# KiCad board M3DU_BoardV3_2.kicad_pcb (continued)
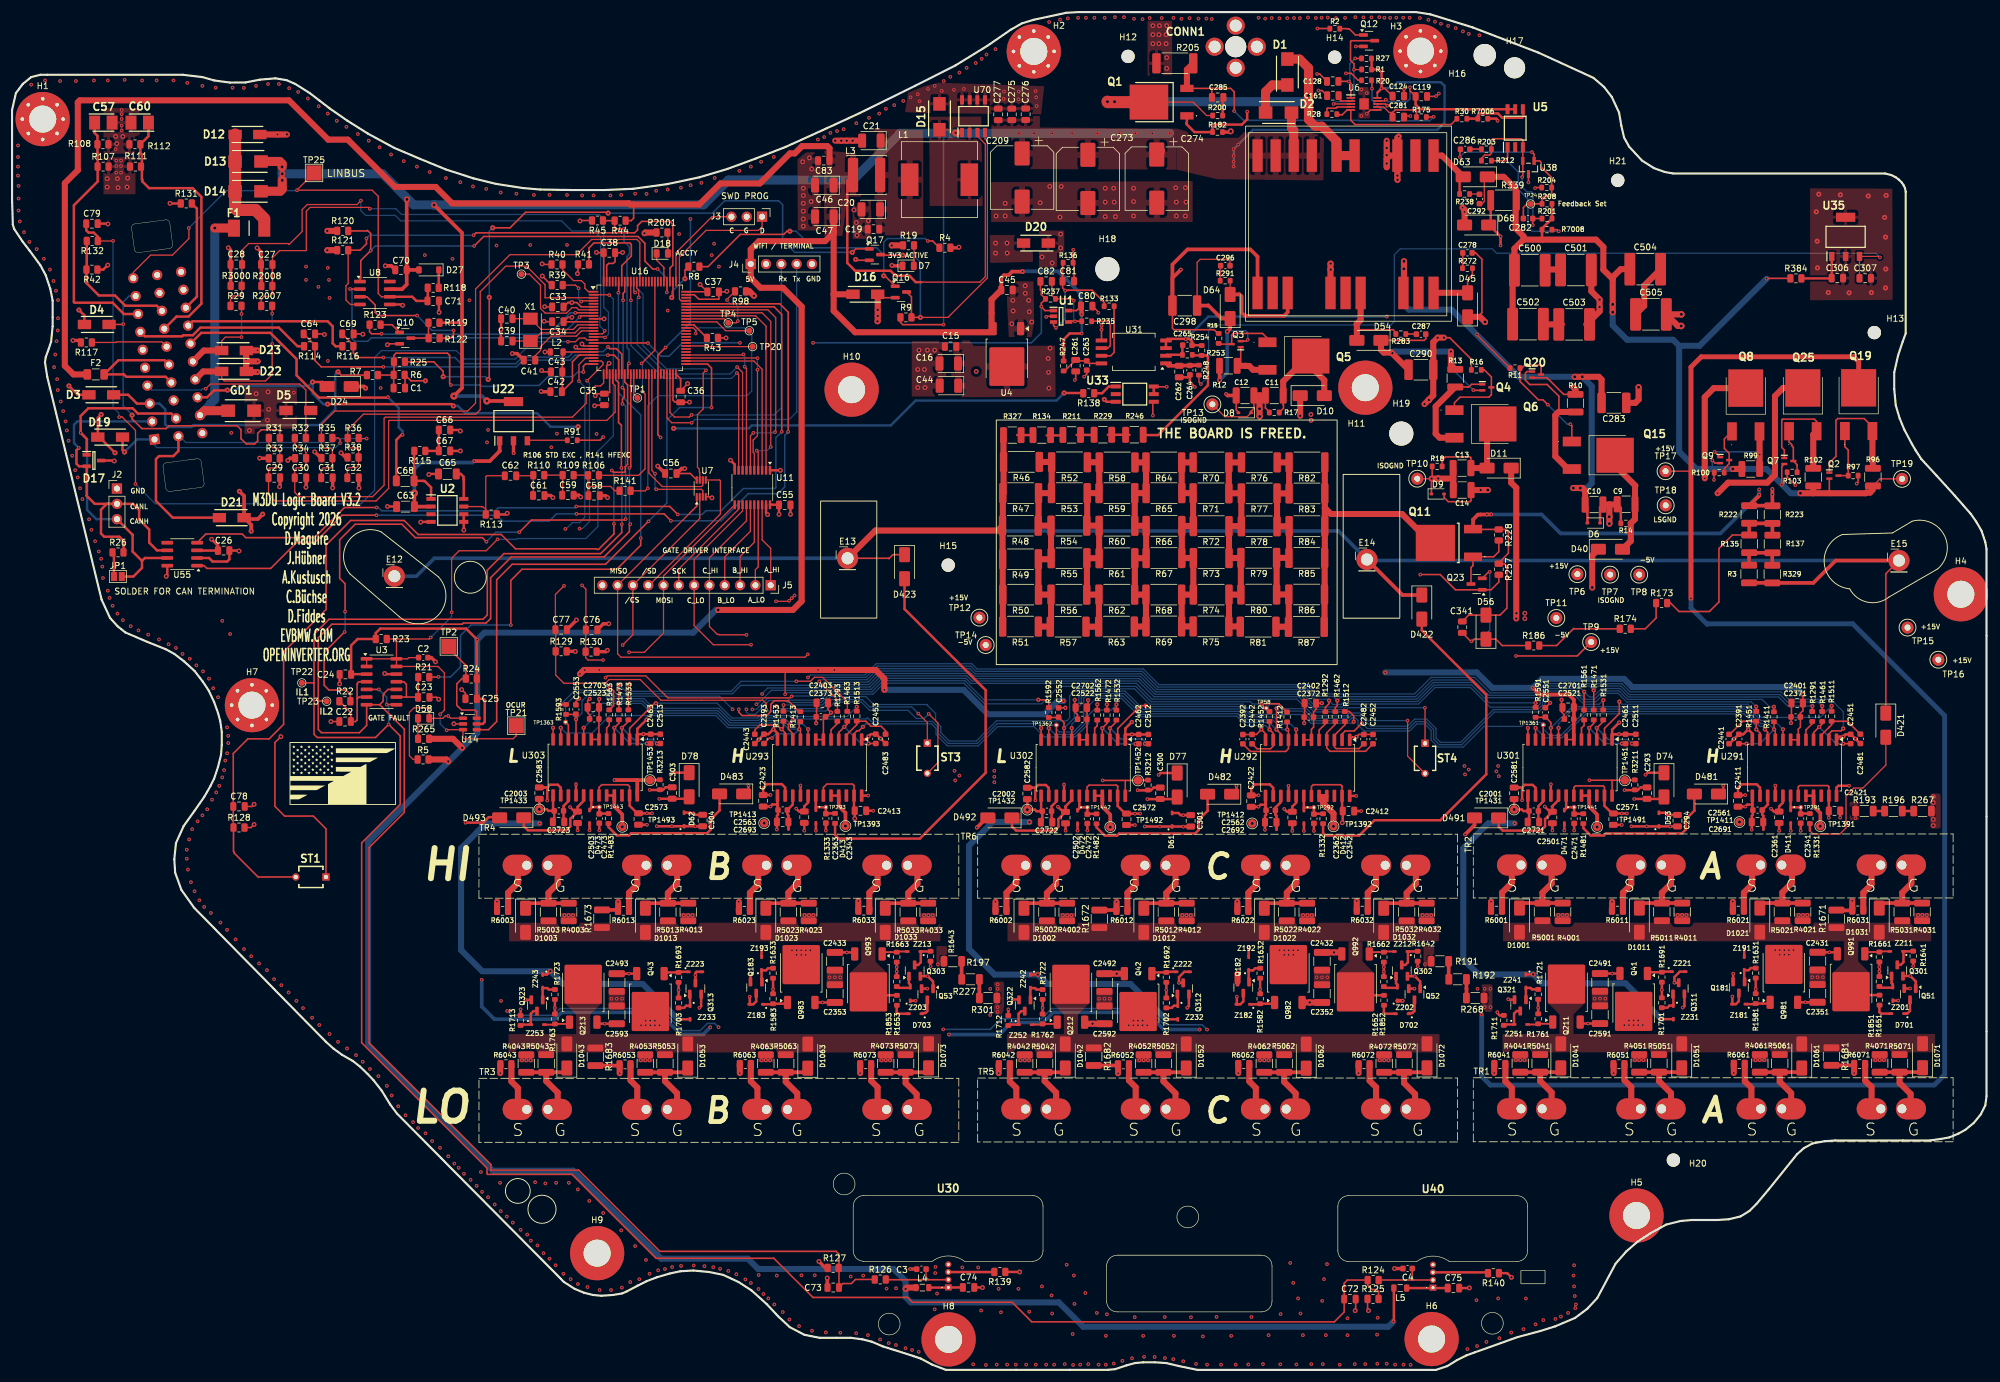
[diagram p0: board, top side]
## Routing (per net, layer and track width the routed paths; a pad name or vN(x,y) marks a point on that pad's centre or on a via; arc(x,y) is an arc through that point) (continued)
CAN_TX: length 151.9
  Top w0.25: v2(60.46,141.9) 54.76,141.9 50.23,137.37 47.21,137.37 42.9,133.06 32.33,133.06 31.87,133.52 U55.1 ; v2(128.78,155.75) 128.78,175.6 127.38,177 U16.71 ; v2(109.33,140.97) 108.18,142.12 v2(93.66,142.12)
  Bottom w0.25: v2(128.78,155.75) 128.21,155.17 128.21,146.6 127.08,145.47 122.16,145.47 117.66,140.97 v2(109.33,140.97) ; v2(93.66,142.12) 90.36,142.12 90.36,142.15 89.13,140.92 81.43,140.92 80.46,141.9 v2(60.46,141.9)
COSA: length 43.1
  Top w0.4: J1.8 18.55,175.3 16.69,177.16 10.39,177.16 10.26,177.3 10.26,193.35 14.21,197.3 14.21,199.5 ; 14.19,199.51 14.19,202.07 14.17,202.1 R108.2 14.17,204.88 13.68,205.37 13.71,205.4 C57.1
COSB: length 29.3
  Top w0.4: J1.27 29.95,174.1 52.36,174.1 53.21,173.25 53.21,170.42 53.68,169.95 R116.2
DCSW_OUT: length 17.4
  Top w0.2: TP3.1 85.83,181.91 87.68,180.06 87.68,176.23 88.47,175.44 91.98,175.44 92.9,176.35 93.66,176.35 94.02,176 U16.7
DESAT: length 15.7
  Top w0.2: v2(118.63,177.62) 118.63,177.74 R98.2 ; U16.66 118.17,174.5 TP4.1 120.13,173.84 v2(120.43,174.14)
  Bottom w0.2: v2(118.63,177.62) 118.63,177.54 119.28,176.89 120.1,176.89 120.43,176.56 v2(120.43,174.14)
EMCYSTOP_IN: length 4.4
  Top w0.25: R43.2 113.12,173.5 U16.64
ENC_A: length 59.4
  Top w0.25: v2(98.86,168.47) 99.88,168.47 100.66,167.7 U16.31 ; v2(61.6,166.52) 51.31,166.52 50.21,167.62 50.27,167.68 R114.1 ; C64.1 50.27,170.11
  Bottom w0.25: v2(98.86,168.47) 93.46,168.47 92.63,167.65 84.81,167.65 83.68,166.52 v2(61.6,166.52)
ENC_B: length 54
  Top w0.25: R116.1 56.63,168.82 57.38,168.07 v2(61.63,168.07) ; v2(98.88,169.85) 99.18,169.55 100.26,169.55 101.16,168.65 U16.32 ; C69.1 56.63,170.15
  Bottom w0.25: v2(61.63,168.07) 73.48,168.07 74.51,167.05 83.57,167.05 84.67,168.15 92.28,168.15 93.18,169.05 98.08,169.05 v2(98.88,169.85)
EXC_OUT: length 40.3
  Top w0.2: R106.2 103.96,148.52 105.03,149.6 105.03,162 v2(104.58,162.45) ; U16.83 106.66,169.3 v2(104.46,167.1)
  Bottom w0.2: v2(104.58,162.45) 104.58,166.97 v2(104.46,167.1)
EXCA: length 55
  Top w0.4: v2(62.36,161.5) 62.28,161.42 50.89,161.42 47.21,165.11 47.21,167.81 42.84,172.17 31.39,172.17 J1.26 ; 63.76,147.6 63.76,154.4 64.6,155.24 v2(64.8,155.24)
  Bottom w0.4: v2(64.8,155.24) 64.8,155.82 64.15,156.47 64.15,159.7 v2(62.36,161.5)
EXCB: length 12.8
  Top w0.2: J1.16 24.85,170.67 17.33,170.67 17.23,170.57 R117.1
FORW_IN: length 55.3
  Top w0.2: R31.2 44.43,155.9
  Top w0.25: D4.1 18.4,173.56 v2(18.45,173.61) ; 44.43,155.9 44.24,156.09 41.35,156.09 40.75,155.49 40.75,154.24 40.25,153.74 38.85,153.74 37.98,154.61 37.98,156.11 37.35,156.74 26.03,156.74 25.57,156.28 21.54,156.28 19.9,157.91 v4(19.9,158.51)
  Bottom w0.25: v4(19.9,158.51) 19.88,158.54 19.88,158.64 18.43,160.09 18.43,177.29 19.42,178.27 J1.9
FWD_IN: length 89.1
  Top w0.2: U16.29 99.66,163.83 100.08,163.41 100.07,163.39 100.07,159.01 98.69,157.64 62.56,157.64 62.48,157.55 62.48,146.34 60.41,144.27 43.63,144.27 42.56,145.35 C29.1 42.56,149.55 42.76,149.75 43.86,149.75 44.42,150.31 R33.2 44.42,152.58 43.91,153.1 43.23,153.1 42.61,153.72 R31.1
GATE PSU EN: length 181
  Top w0.25: v2(108.43,169.75) 107.16,168.47 U16.44 107.16,155.26 v2(107.6,154.81) ; v2(98.08,154.86) 97.55,154.34 R91.2 ; v2(216.58,222.7) 218.63,222.7
  In1.Cu w0.25: v2(98.08,154.86) 98.13,154.81 v2(107.6,154.81) ; v2(112.56,191.07) 118.33,196.85 129.01,196.85 134.71,202.55 171.18,202.55 172.91,204.27 213.73,204.27 214.06,204.6 214.06,220.17 v2(216.58,222.7)
  Bottom w0.25: v2(108.43,169.75) 112.56,173.87 v2(112.56,191.07)
GATEDRV_CS: length 27.3
  Top w0.2: U16.41 105.66,148.9 107.89,146.66 114.4,146.66 114.61,146.86 U7.6
GATEDRV_SD: length 28.3
  Top w0.2: U7.3 114.61,145.98 114.39,146.2 v2(106.88,146.2) ; v2(106.68,148.8) 106.16,149.32 U16.42
  Bottom w0.2: v2(106.68,148.8) 106.68,146.4 v2(106.88,146.2)
HFEXC: length 57
  Top w0.2: v2(105.48,146.37) 105.06,145.95 R141.2 ; U16.63 113.02,173 113.43,172.58 v2(113.43,172.07)
  Bottom w0.2: v2(105.48,146.37) 105.48,160.07 107.16,161.75 121.96,161.75 122.73,162.52 122.73,169.12 122.76,169.15 122.76,171.75 121.51,173 114.01,173 113.43,172.42 v2(113.43,172.07)
HV-: length 301.9
  Top w0.25: R257.1 247.61,133.83 248.03,133.41 248.03,126.46 246.88,125.31 D56.2 241.68,125.31 C341.2 ; 242.47,139.53 R228.1 247.74,139.53 248.28,139 248.28,135.6 246.68,134
  Top w0.4: D53.1 v2(271.23,90.24) 268.72,90.24 ; U301.13 251.51,92.98 ; D472.2 v2(176.79,89.53) ; 109.25,96.73 108.44,96.73 107.99,96.28 105.8,96.28 v2(105.79,96.29) ; D473.2 v2(95.81,89.58) ; v2(246.98,186.67) v2(246.98,188.17) 245.08,190.07 ; C2501.2 v2(255.58,89.56) ; C2581.2 v5(249.23,93.04) 250.5,93.04 250.75,92.79 C2001.1 251.7,91.18 ; 197.33,170.12 C265.2 195.78,170.72 195.33,171.17 191.72,171.17 U31.4 U31.3 ; C304.2 113.38,90.26 ; 190.22,96.68 189.42,96.68 188.97,96.23 186.78,96.23 v2(186.77,96.24) ; v2(255.32,97.23) U301.16 ; U303.13 89.77,93 ; 170.93,91.16 C2002.1 169.98,92.76 169.72,93.01 v5(168.45,93.01) C2582.2 ; D62.1 v2(109.48,90.26) 106.97,90.26 ; C2572.2 186.3,90.46 v2(186.31,90.45) ; C2473.2 v2(97.44,89.58) ; C2571.2 267.07,90.49 v2(267.08,90.47) ; D61.1 v2(190.46,90.21) 187.94,90.21 ; v2(93.58,97.25) U303.16 ; C294.2 275.12,90.24 ; 273.26,90.24 275.09,90.24 v2(275.11,90.22) ; C2573.2 105.32,90.51 v2(105.34,90.5) ; C262.1 195.03,164.8 C264.2 195.43,163.97 196.23,163.17 v2(196.26,163.17) ; C2471.2 v2(259.18,89.56) ; C2472.2 v2(178.41,89.53) ; v2(194.34,90.2) 194.32,90.21 192.49,90.21 ; v2(267.54,96.27) 267.55,96.25 269.74,96.25 270.19,96.71 270.99,96.71 ; C301.2 194.35,90.21 ; U302.13 170.74,92.95 ; 89.96,91.21 C2003.1 89,92.81 88.75,93.06 v5(87.48,93.06) C2583.2 ; 111.51,90.26 113.35,90.26 v2(113.36,90.24) ; v2(174.55,97.21) U302.16 ; D471.2 v2(257.56,89.56) ; C2502.2 v2(174.8,89.53) ; R339.1 245.34,190.41 ; C2503.2 v2(93.83,89.58)
  Top w0.6: R1682.2 183.32,50.55 ; R1683.2 100.59,50.52 ; 292.06,143.48 R222.1 289.88,145.13 v2(289.88,145.3) ; R1681.2 305.44,50.57 ; v2(292.08,146.25) v2(292.08,145.37) R223.1 ; Q11.3 242.41,141.17 243.23,142 243.61,142 243.63,142.02 v2(244.71,142.02) v2(245.43,142.02)
  Top w1: v2(245.92,49.3) 245.92,50.75 ; v2(203.46,49.28) 203.46,50.77 ; v2(140.72,49.28) 140.72,50.75 ; v2(183.52,49.25) 183.52,50.7 ; v2(163.7,49.28) 163.7,50.72 ; v2(120.75,49.28) 120.75,50.77 ; v2(265.74,49.27) 265.74,50.72 ; v2(305.64,49.3) 305.64,50.77 ; v2(223.42,49.28) 223.42,50.75 ; v2(285.68,49.3) 285.68,50.8 ; v2(100.81,49.25) 100.81,50.7 ; v2(81,49.28) 81,50.72
  In1.Cu w0.4: v2(228.11,174.87) 228.46,174.52 236.78,174.52 238.08,175.82 262.33,175.82 264.26,173.9
  In2.Cu w0.4: 187.94,90.21 v2(187.94,90.22) ; v2(196.26,163.17) 196.26,169.6 v2(194.73,171.12)
  Bottom w0.4: v2(228.11,174.87) 198.48,174.87 v2(194.73,171.12)
  Bottom w0.6: v2(289.88,146.17) v2(289.88,145.3) 283.46,138.87 256.93,138.87 253.78,142.02 v2(244.71,142.02)
  vias: v1(318.77,95.2) v1(318.77,94.18) v1(318.77,91.39) v1(318.77,90.37) v2(99.44,61.62) v2(100.33,61.62) v2(101.22,61.62) v2(106.96,90.27) v2(163.53,64.01) v2(163.53,63.27) v2(163.53,60.22) v2(163.53,59.44) v2(180.37,61.62) v2(181.26,61.62) v2(182.14,61.62) v2(244.35,63.27) v2(244.35,60.22) v2(245.31,63.27) v2(245.31,60.22) v2(262.59,61.65) v2(263.48,61.65) v2(264.36,61.65) v2(268.71,90.25) v4(299.35,192.26) v4(299.5,187.39) v4(299.55,182.96) v4(299.78,195.19) v4(301.35,178.86) v4(303.35,195.09) v4(304.8,178.81) v4(307.98,194.89) v4(308.5,178.86) v4(310.7,191.34) v4(310.85,188.06) v4(310.85,179.64) v4(310.9,182.76) v4(310.95,194.99)
IL1: length 384.3
  Top w0.25: v2(62.16,110.47) 63.75,110.47 ; v2(101.11,149.75) 101.11,156.82 100.63,157.3 100.63,163.9 100.16,164.37 U16.30 ; v2(101.16,140.4) 101.16,139.02 97.66,135.52 81.61,135.52 78.86,132.77 78.86,125.35 78.13,124.62 52.58,124.62 50.11,122.15 50.11,114.01 ; R125.2 226.73,13.05 226.43,13.35 225.66,13.35 224.93,14.07 R124.1 221.56,14.92 221.03,14.4 C72.1 221.03,9.62 219.4,7.99 169.19,7.99 165.94,11.24 149.4,11.24 148.6,12.04 132.89,12.04 126.39,18.54 106.84,18.54 92.91,32.47 78.91,32.47 78.81,32.57 78.81,33.52 58.01,54.32 58.01,87.5 64.41,93.9 64.41,105.25 v2(62.48,107.17) 60.31,105 50.63,105 50.11,105.52 50.11,114.01 ; 50.11,114.01 50.06,114.06 TP22.1 ; v2(60.86,112.97) 59.81,112.97 59.81,112.98 U3.5
  Bottom w0.25: v2(101.11,149.75) 101.18,149.67 101.18,140.42 v2(101.16,140.4) ; v2(62.48,107.17) 62.48,110.15 v2(62.16,110.47) 62.16,111.67 v2(60.86,112.97)
IL2: length 290
  Top w0.25: v2(102.43,149.75) 102.66,149.97 U16.35 ; 61.01,110.45 65.08,106.37 65.08,92.57 59.23,86.72 59.23,54.32 79.46,34.1 79.46,33.17 94.01,33.17 107.49,19.69 136.73,19.69 137.2,19.21 C73.1 137.86,14.35 139.26,14.35 139.93,15.02 R126.1 ; 61.01,110.45 60.98,110.45 60.97,110.44 U3.7 58.83,107 57.63,105.8 51.33,105.8 50.81,106.32 50.81,111.06 ; 61.01,110.45 61.58,111.02 61.58,112.02 61.71,112.15 61.71,112.3 62.39,112.98 U3.10 ; 50.81,111.06 52.15,111.06 ; 50.81,111.06 50.81,121.55 53.06,123.8 74.68,123.8 74.88,124 78.66,124 79.41,124.75 79.41,131.52 82.86,134.97 98.23,134.97 102.43,139.17 102.43,140.27 v2(102.58,140.42)
  Bottom w0.25: v2(102.43,149.75) 102.43,140.57 v2(102.58,140.42)
LED_OUT: length 5.2
  Top w0.2: U16.80 108.16,182.87 108.13,182.9 108.13,183.05 106.94,184.23 D18.1
LIN_NSLP: length 52
  Top w0.25: U8.2 56.48,179.42 56.45,179.45 v2(56.08,179.45) ; v2(94.16,174.77) 94.38,175 U16.9
  Bottom w0.25: v2(56.08,179.45) 56.41,179.13 56.41,171.22 56.86,170.77 59.03,170.77 59.61,171.35 90.73,171.35 v2(94.16,174.77)
LIN_Rx: length 71.5
  Top w0.25: R120.2 58.91,189.1 58.98,189.17 59.51,188.65 v2(59.51,185.82) 57.86,184.17 57.86,181.25 57.73,181.12 U8.1 ; v2(107.11,182.77) 106.31,182.77 105.01,184.07 105.01,187.02 103.86,188.17 78.26,188.17 v2(76.68,186.6) ; v2(108.63,178.9) 108.66,178.92 U16.79
  Bottom w0.25: v2(59.51,185.82) 60.28,186.6 v2(76.68,186.6) ; v2(108.63,178.9) 108.63,181.25 v2(107.11,182.77)
LIN_Tx: length 77.7
  Top w0.2: U8.4 56.15,176.88 55.4,177.63 55.4,179.98 55.77,180.35 R121.2
  Top w0.25: U16.78 109.16,182.92 109.63,183.4 109.63,190.17 109.13,190.67 104.48,190.67 103.78,189.97 103.78,189.27 103.28,188.77 76.98,188.77 v2(76.58,188.37) ; v2(58.81,187.85) 58.81,186.95 57.76,185.9 R121.2
  Bottom w0.25: v2(76.58,188.37) 59.33,188.37 v2(58.81,187.85)
LIN_WAKE: length 40
  Top w0.25: R123.1 59.32,172.36 59.66,172.02 v2(61.31,172.02) ; U16.8 93.45,175.5 v2(93.45,175.49)
  Bottom w0.25: v2(93.45,175.49) 92.6,175.49 89.23,172.12 89.18,172.12 89.01,171.95 61.38,171.95 v2(61.31,172.02)
LS_+V: length 177.7
  Top w0.2: C292.1 243.93,193.62 244.28,193.97 244.28,197.57 ; R96.1 309.93,147.93 TP19.1
  Top w0.25: Q2.2 301.53,145.67 301.66,145.55 ; R384.1 291.18,181.21 v2(291.13,181.16) ; Q9.2 282.56,150.55 v2(282.11,151) ; v2(293.63,146.97) 293.63,149.97 Q7.2
  Top w0.4: R7008.1 253.86,187.67 253.83,187.65 ; R208.2 R201.2 253.86,189.5
  Top w1: 250.78,187.65 262.81,187.65 264.03,186.42 264.03,182.65 265.58,181.1 ; 250.78,187.65 250.78,188.22 249.48,189.52 249.48,196.07 247.48,198.07 D63.1 ; 250.78,187.65 249.28,186.14 C500.1 ; 298.81,145.55 298.86,145.6 R102.1 ; 298.81,145.55 v5(296.73,145.55) ; 298.81,145.55 307.56,145.55 307.66,145.65 308.28,145.65 308.73,146.1 ; R99.1 v5(285.51,149.57) ; 265.58,181.1 265.58,181.41 266.9,182.74 C504.1 ; 265.58,181.1 v5(265.58,175.6) ; C502.1 248.98,182.26
  Bottom w0.25: 282.21,149.57 282.11,149.67 v2(282.11,151)
  Bottom w1: 276.61,170.02 276.61,152.45 279.48,149.57 v5(285.51,149.57) 291.11,149.57 295.13,145.55 v5(296.73,145.55) ; 276.61,170.02 279.99,170.02 v2(291.13,181.16) ; 276.61,170.02 275.61,171.02 267.98,171.02 265.58,173.42 v5(265.58,175.6) v5(265.58,176.9)
LS_GND: length 806.8
  Top w0.25: U301.23 264.21,96.75 264,96.96 259.4,96.96 259.13,96.69 U301.19 ; R103.2 294.53,148.25 v2(295.88,146.9) ; R97.2 306.31,147.4 v2(306.06,147.15) ; v2(282.38,147.77) 282.38,148.52 282.43,148.57 R100.2 ; v2(252.71,196.2) 252.81,196.3 R204.1 ; U302.19 178.36,96.74 178.7,97.09 183.25,97.09 183.48,96.86 183.44,96.82 U302.23 ; U38.3 v2(251.61,197.15) ; U303.19 97.39,96.69 97.85,97.16 102.15,97.16 102.47,96.85 U303.23
  Top w0.4: R1763.1 v2(90.07,60.1) R1723.2 ; U301.23 264.21,93.65 265.47,92.39 ; C304.1 113.37,92.16 ; v2(267.95,92.38) 265.7,92.38 ; 184.7,92.36 183.44,93.62 U302.23 ; v2(250.55,94.59) 250.55,96.67 ; 250.55,96.67 251.01,97.13 252.3,97.13 252.78,96.65 U301.14 ; 250.55,96.67 250.54,96.68 249.95,96.68 ; v2(106.2,92.4) 103.95,92.4 ; C301.1 194.35,92.11 ; 166.99,61.52 166.04,61.52 v2(166.04,61.52) ; Q321.2 248.34,61.47 v2(248.26,61.54) ; D53.2 274.29,92.49 274.64,92.14 275.1,92.14 v2(275.11,92.13) ; 249.95,96.68 C2581.1 ; 249.95,96.68 250.15,96.68 ; R1721.2 v2(253.21,60.12) R1761.1 ; C2591.2 261.5,57.5 v2(261.49,57.51) 261.49,57.5 260.45,57.5 ; 179.28,57.48 v1(179.27,57.48) 179.27,57.48 ; v2(187.17,92.35) 184.92,92.35 ; R1762.1 v2(170.99,60.1) R1722.2 ; 88.8,96.69 89.27,97.15 90.55,97.15 91.04,96.67 U303.14 ; 88.8,96.69 88.79,96.71 88.21,96.71 ; 88.8,96.69 88.8,94.55 v2(88.8,94.55) ; v2(194.34,92.1) 194.33,92.11 193.87,92.11 193.52,92.46 D61.2 ; 88.21,96.71 88.4,96.71 ; 88.21,96.71 C2583.1 ; v2(85.19,61.44) 85.2,61.44 Q323.2 ; U303.23 102.47,93.67 103.72,92.41 ; 169.18,96.66 169.38,96.66 ; 169.18,96.66 C2582.1 ; 169.18,96.66 169.76,96.66 169.78,96.64 ; v2(169.78,94.56) 169.78,96.64 ; 169.78,96.64 170.24,97.1 171.53,97.1 172.01,96.62 U302.14 ; D62.2 112.54,92.51 112.65,92.41 v2(113.08,92.41) ; C294.1 275.12,92.14 ; C2593.2 98.35,57.48 v2(98.35,57.48) 98.35,57.48 97.3,57.48
  Top w1: v6(276.98,175.24) C505.2 276.4,173.31 v6(276.95,173.31) ; v2(240.66,192.95) 241.01,192.6 v2(241.01,192.25) D68.2 ; C501.2 262.03,179.07 v1(263.41,177.7) v1(263.41,176.47) 263.41,175.75 261.23,173.57 261.53,173.87 ; v1(228.08,204.07) v1(228.08,202.87) v1(228.08,201.67) 228.08,199.67 v1(228.08,200.27) 228.08,201.07 228.61,201.6 T1.3 ; T1.3 v1(229.86,198.27) 229.86,197.6 v1(229.88,197.57) ; T1.3 229.86,204.55 v2(230.08,204.77) ; C2592.2 179.28,57.48 ; 179.27,57.48 178.23,57.48
  In1.Cu w0.4: v2(267.08,92.38) 274.86,92.38 v2(275.11,92.13) ; v2(113.08,92.41) 106.2,92.41 v2(106.2,92.4) v2(105.34,92.4) ; v2(186.31,92.35) v2(187.17,92.35) 194.08,92.35
  In1.Cu w1: v2(248.26,61.54) 248.34,61.47 251.84,61.47 253.19,60.12 258.88,60.12 v2(261.49,57.51) ; v2(85.19,61.44) 86.54,60.1 95.73,60.1 v2(98.35,57.48) ; v1(179.27,57.48) 176.66,60.1 v2(170.99,60.1) 169.65,61.44 166.12,61.44 v2(166.04,61.52)
  In2.Cu w0.2: TP18.1 277.06,143.54
  In2.Cu w1: 248.24,61.57 v2(248.26,61.54) ; v2(186.31,92.35) 184.15,94.51 169.83,94.51 v2(169.78,94.56) 169.73,94.51 168.2,94.51 160.1,86.41 160.1,71.07 163.12,68.05 166.8,68.05 ; v2(85.19,61.44) 85.19,68.28 85.22,68.3 78.28,68.3 75.82,70.76 75.82,87 83.37,94.55 v2(88.8,94.55) 93.34,94.55 93.35,94.54 96.97,94.54 96.98,94.54 103.19,94.54 v2(105.34,92.4) ; v2(267.08,92.38) 267.06,92.38 264.9,94.54 250.6,94.54 v2(250.55,94.59) 250.5,94.54 249.03,94.54 247.63,93.14 247.63,91.87 242.06,86.31 242.06,69.9 243.89,68.07 248.77,68.07
  In2.Cu w1.6: 248.24,61.57 248.24,67.69 248.31,67.77 278.84,67.77 279.6,67.01 279.6,56.06 282.1,53.57 317.38,53.57 320.96,57.15 320.96,100.71 320.93,100.74 320.93,109.37 306.43,123.88 280.95,123.88 277.06,127.76 277.06,145.71 277.06,145.72 277.06,145.73 277.06,146.87 ; v2(248.26,61.54) 243.46,61.54 242.29,60.38 242.29,55.47 240.29,53.47 197.46,53.47 195.63,55.3 195.63,56.97 196.57,57.91 196.57,66.65 195.48,67.74 166.02,67.74 166.04,67.72 166.04,61.53 v2(166.04,61.52) 161.55,61.52 159.95,59.92 159.95,58.22 154.82,53.09 116.71,53.09 114.17,55.63 114.17,57.28 116.08,59.18 116.08,67.59 115.37,68.3 85.22,68.3
MAIN_PSU_EN: length 9
  Top w0.25: R8.2 111.65,182.6 v4(111.65,181.16) ; v4(109.45,178.04) 109.66,178.24 U16.77
  Bottom w0.25: v4(111.65,181.16) 109.45,178.96 v4(109.45,178.04)
MOT_NTC1: length 18.4
  Top w0.4: R131.2 30.67,192.79 30.67,178.18 J1.28
MOT_NTC2: length 21.4
  Top w0.4: R42.2 12.34,180.43 14.41,178.37 17.08,178.37 18.78,176.67 24.02,176.67 J1.18 ; R132.2 12.39,182.72
MPROT_IN: length 7.3
  Top w0.2: v2(94.43,177.37) 94.56,177.5 U16.4 ; v2(94.01,179.57) 93.48,180.1 R39.2
  Bottom w0.2: v2(94.01,179.57) 94.01,177.8 v2(94.43,177.37)
OCUR_IN: length 139.1
  Top w0.2: U3.2 U3.1 U3.14 ; 63.23,121.35 69.21,121.35 v2(69.46,121.6) ; 63.23,121.35 63.81,120.77 63.78,120.75 U3.14 ; 63.23,121.35 R23.1 ; TP21.1 83.65,105.29 83.15,104.79 75.03,104.79 74.82,105 U14.3 72.21,106.3 v2(72.11,106.2) ; C2.1 65.85,118.26 65.65,118.06 U3.14 ; U3.14 U3.13 70.67,116.79 71.73,115.72 71.73,109.55 v2(71.03,108.85) ; v2(80.56,137.9) 78.66,136 74.18,136 72.93,134.75 v2(72.93,125.77) ; v2(99.08,178.45) 99.03,178.5 U16.2
  Bottom w0.2: v2(99.08,178.45) 99.76,177.77 99.76,155.07 97.21,152.52 97.21,140.02 95.21,138.02 83.81,138.02 83.68,137.9 v2(80.56,137.9) ; v2(71.03,108.85) 71.03,107.27 v2(72.11,106.2) ; v2(69.46,121.6) 72.93,125.07 v2(72.93,125.77)
OCURLIM_NEG: length 123.4
  Top w0.25: v2(55.18,122.52) 51.78,119.12 51.78,113.67 52.58,112.87 55.41,112.87 56.13,112.15 R22.2 ; v2(101.38,177.57) 101.38,178.72 101.66,179 U16.93 ; v2(101.28,163.07) 101.58,162.77 101.58,161.47 101.28,161.17 v2(101.28,160.37) ; v2(55.26,125.9) 55.26,130.52 54.36,131.42 54.36,137.82 56.93,140.4 64.68,140.4 66.91,138.17 78.03,138.17 v2(78.71,137.5) ; v2(101.81,141.27) 101.63,141.1 86.18,141.1 v2(84.16,139.07)
  Bottom w0.25: v2(101.38,177.57) 101.38,163.53 101.28,163.43 v2(101.28,163.07) ; v2(55.18,122.52) 55.26,122.6 v2(55.26,125.9) ; v2(101.28,160.37) 101.41,160.37 101.81,159.97 v2(101.81,141.27) ; v2(78.71,137.5) 80.28,139.07 v2(84.16,139.07)
OCURLIM_POS: length 96.9
  Top w0.25: U16.95 100.66,178.87 v2(100.61,178.82) ; R21.2 70.73,115.02 v2(70.76,115.05) ; v2(104.31,138.1) 104.31,136.9 100.33,132.92 84.61,132.92 82.76,131.07 v2(82.76,123.67)
  Bottom w0.25: v2(100.61,178.82) 100.61,162.25 104.31,158.55 v2(104.31,138.1) ; v2(82.76,123.67) 76.16,123.67 74.41,121.92 74.41,116.72 72.73,115.05 v2(70.76,115.05)
PRECHARGE_OUT: length 4.2
  Top w0.2: U16.36 103.16,161.97 TP1.1
PWM1_N: length 30
  Top w0.2: U11.3 124.46,166.12 123.08,167.5 U16.52
PWM1_P: length 37.9
  Top w0.2: U11.2 125.11,173.27 123.38,175 U16.67
PWM2_N: length 30.9
  Top w0.2: v2(123.67,167.97) 123.65,168 U16.53 ; U11.5 123.16,152.17 122.96,152.37 122.96,154.37 123.68,155.1 v2(123.68,166.05)
  Bottom w0.2: v2(123.68,166.05) 123.67,166.05 v2(123.67,167.97)
PWM2_P: length 41.4
  Top w0.2: U16.68 124.43,175.5 125.88,174.04 v2(125.88,153.24) ; 123.81,149.36 123.81,152.37 v2(123.56,152.62)
  Bottom w0.2: v2(123.56,152.62) 125.27,152.62 v2(125.88,153.24)
PWM3_N: length 29
  Top w0.2: U16.54 121.26,168.5 v2(121.36,168.6) ; v2(121.56,166.55) 121.86,166.25 U11.7
  Bottom w0.2: v2(121.36,168.6) 121.36,168.52 121.56,168.32 v2(121.56,166.55)
PWM3_P: length 44.5
  Top w0.2: U16.69 125.4,176 126.71,174.69 126.71,155.81 v2(126.58,155.69) ; v2(123.01,155.57) 122.51,155.07 U11.6
  Bottom w0.2: v2(123.01,155.57) 126.16,155.57 126.27,155.69 v2(126.58,155.69)
PWM_INHIBIT: length 94
  Top w0.25: U16.51 115.38,167 116.06,166.32 v2(116.06,159.77) ; v2(105.59,140.88) 98.46,133.75 82.98,133.75 80.41,131.17 80.41,107.65 79.06,106.3 U14.4
  Bottom w0.25: v2(105.59,140.88) 108.66,143.95 108.66,157.67 110.76,159.77 v2(116.06,159.77)
REV_IN: length 79.8
  Top w0.2: R32.1 46.92,153.73 47.51,153.15 47.63,153.15 47.78,153 48.26,153 48.68,152.57 48.68,152.37 48.78,152.27 R34.2 48.78,150.12 48.43,149.77 47.18,149.77 46.91,149.5 C30.1 46.91,145.7 47.63,144.97 59.81,144.97 61.73,146.89 61.73,157.96 61.93,158.16 92.95,158.16 95.26,160.47 95.26,161.85 96.76,163.35 97.63,163.35 98.16,163.87 U16.26
REVER_IN: length 35.4
  Top w0.2: v2(32.13,162.89) 32.9,163.66 47.75,163.66 48.74,162.67 R32.2
  Bottom w0.2: J1.4 23.2,162.67 31.38,162.67 31.6,162.89 v2(32.13,162.89)
SINA: length 46.9
  Top w0.4: C60.1 22.63,204.82 21.29,203.48 ; J1.17 27.28,174.87 29.28,174.87 31.41,177 31.41,194.75 29.96,196.2 22.73,196.2 21.61,197.32 21.61,197.57 21.54,197.63 21.54,201.77 21.29,202.02 R112.2
SINB: length 29.3
  Top w0.4: R114.2 47.63,169.95 47.61,169.97 47.33,169.97 44.27,173.04 31.25,173.04 29.98,171.77 28.38,171.77 28.21,171.6 22.02,171.6 J1.7
SPI1_MISO: length 43.2
  Top w0.2: v2(115.13,165.95) 114.68,165.5 114.68,159.55 113.72,158.59 113.72,149.86 114.03,149.55 114.03,149.08 114.11,149.01 U7.7 ; U16.90 103.16,179.1 v2(103.38,178.87)
  Bottom w0.2: v2(103.38,178.87) 103.76,179.25 104.06,179.25 104.68,178.62 104.68,170.1 108.58,166.2 114.88,166.2 v2(115.13,165.95)
SPI1_MOSI: length 47.1
  Top w0.2: v2(120.26,165.5) 120.56,165.2 U11.9 ; U16.91 102.66,177.6 v2(102.68,177.57)
  Bottom w0.2: v2(102.68,177.57) 102.68,170.07 108.16,164.6 119.36,164.6 v2(120.26,165.5)
SPI1_SCK: length 47.3
  Top w0.2: U16.89 103.66,179.6 103.98,179.27 v2(103.98,178.07) ; v2(120.31,166.5) 121.21,165.6 U11.8
  Bottom w0.2: v2(103.98,178.07) 103.73,177.82 103.73,170.2 108.58,165.35 119.16,165.35 v2(120.31,166.5)
START: length 41.8
  Top w0.2: v2(54.43,153.87) 54.43,154.42 54.13,154.73 R35.2
  Top w0.4: D19.1 18.33,152.71 v4(18.65,152.39)
  Bottom w0.2: v2(54.43,153.87) 53.68,153.12 24.03,153.12 23.52,153.63
  Bottom w0.4: v4(18.65,152.39) 20.75,154.48 J1.1
START_IN: length 95.2
  Top w0.2: U16.88 104.16,187.2 103.68,187.67 96.16,187.67 93.63,185.15 82.61,185.15 76.91,179.45 76.91,160.5 75.6,159.19 53.55,159.19 51.33,156.97 R35.1 51.33,153.44 51.77,153 52.87,153 53.16,152.71 R37.2 53.16,149.96 52.94,149.75 51.62,149.75 51.29,149.43 C31.1
SWCLK: length 16.5
  Top w0.2: J3.3 116.13,191.45 110.16,185.47 U16.76
SWDAT: length 25.7
  Top w0.2: J3.1 124.44,189.79 123.83,189.18 115.14,189.18 110.73,184.77 110.73,177.76 111,177.5 U16.72
T15_IN: length 53.1
  Top w0.25: R7.2 54.6,165.16 v4(54.08,165.69)
  Top w0.4: J1.3 20.71,160.43 19.25,161.89 D3.1
  Bottom w0.4: J1.3 24.46,160.43 25.4,159.49 25.4,156.99 25.85,156.54 29.75,156.54 30.08,156.86 51,156.86 53.63,159.49 53.63,165.24 v4(54.08,165.69)
T15_OUT: length 48.4
  Top w0.25: R6.2 63.32,163.02 ; v2(72.83,163.51) 72.6,163.74 72.6,168.44 72.25,168.79 63.7,168.79 63.37,168.45 R25.2 63.37,165.24 ; v2(94.8,165.66) 94.8,166.64 95.16,167 U16.25 ; R7.1 63.29,165.16
  Bottom w0.25: v2(72.83,163.51) 77.78,163.51 78,163.29 80.18,163.29 80.33,163.44 87.45,163.44 88.9,164.89 93.08,164.89 93.85,165.66 v2(94.8,165.66)
THROTTLE1: length 97.2
  Top w0.2: C28.1 38.16,185.9 39.26,187 45.78,187 45.88,186.9 46.03,186.9 48.13,189 48.13,192.62 48.98,193.47 57.23,193.47 v2(57.88,194.12) ; U16.15 97.98,172 98.33,172.35 v2(98.33,172.52) ; 38.09,183.46 R3000.2 38.09,178.58 37.83,178.32 36.83,178.32 36.24,177.73 R29.1
  Bottom w0.2: v2(57.88,194.12) 57.88,192.45 58.66,191.67 63.58,191.67 64.48,190.77 91.18,190.77 92.88,189.07 96.56,189.07 97.66,187.97 97.66,174.91 97.53,174.79 97.53,173.32 v2(98.33,172.52)
THROTTLE2: length 94.5
  Top w0.2: R2007.1 41.33,177.77 41.81,178.25 42.81,178.25 43.18,178.62 R2008.2 43.18,183.5 ; v2(98.38,171.4) 98.28,171.5 U16.16 ; v2(59.36,192.77) 59.13,193 49.46,193 48.83,192.37 48.83,185.92 48.73,185.82 44.38,185.82 43.21,184.65 C27.1
  Bottom w0.2: v2(98.38,171.4) 98.43,171.45 98.46,171.45 98.96,171.95 98.96,175.6 98.18,176.37 98.18,191.05 97.41,191.82 64.62,191.82 63.67,192.77 v2(59.36,192.77)
TMPHS1: length 153.7
  Top w0.25: v2(99.51,149.32) 99.81,149.02 101.63,149.02 101.73,149.12 101.73,149.93 102.13,150.33 102.13,163.52 101.66,164 U16.33 ; ST1.2 40.81,81.84 36.88,85.77 36.88,85.95 36.74,86.08 R128.1 36.74,90.68 36.71,90.72 C78.1 36.71,102.35 39.13,104.77 42.66,104.77 45.06,107.17 45.06,119.2 52.11,126.25 52.11,136.95 56.18,141.02 65.06,141.02 67.38,138.7 81.16,138.7 83.53,136.32 96.93,136.32 97.03,136.22 97.31,136.22 99.86,138.77 v2(99.86,140.47)
  Bottom w0.25: v2(99.86,140.47) 99.86,148.97 v2(99.51,149.32)
TMPHS2: length 136.4
  Top w0.2: v2(91.58,130.17) 90.16,128.75 C77.1 ; v2(152.1,108.92) 153.62,107.39 153.62,100.81 151.87,99.06 ; 90.19,122.86 R129.1 90.19,115.36 91.56,114 98.46,114 99.08,114.62 104.21,114.62 107.66,111.18 114.41,111.18 114.41,111.17 124.58,111.17 125.15,110.6 v2(125.15,109.6) ; U16.23 95.46,168 95.43,167.97 95.13,167.97 94.06,166.9 v2(94.06,164.15)
  In1.Cu w0.2: v2(91.81,139.62) 91.58,139.4 v2(91.58,130.17)
  Bottom w0.2: v2(91.81,139.62) 91.93,139.62 92.93,140.62 92.93,140.67 94.16,140.67 95.03,141.55 95.03,163.17 v2(94.06,164.15) ; v2(152.1,108.92) 151.33,108.15 150.01,108.15 148.67,109.5 142.29,109.5 140.91,110.89 136.52,110.89 135.02,109.39 125.36,109.39 v2(125.15,109.6)
TMPHS3: length 208.7
  Top w0.2: v2(129.34,111.83) 129.09,111.57 108.8,111.57 105.15,115.23 98.77,115.23 v2(98.47,114.93) ; v2(231.55,107.8) 231.55,101.9 234.43,99.02 ; v2(95.41,164.22) 98.06,166.87 98.06,167.22 97.78,167.5 U16.24 ; v2(98.06,117.85) 95.58,117.85 95.17,118.26 R130.1 95.17,122.83 ; v2(94.58,130.25) 95.21,129.62 95.21,122.87
  In1.Cu w0.2: v2(98.47,114.93) 98.47,117.43 v2(98.06,117.85) ; v2(94.16,139.67) 94.58,139.25 v2(94.58,130.25)
  Bottom w0.2: v2(95.41,164.22) 95.81,163.82 95.81,140.85 94.63,139.67 v2(94.16,139.67) ; v2(129.34,111.83) 129.4,111.89 134.22,111.89 135.31,112.98 142.51,112.98 144.35,114.82 158.27,114.82 159.12,113.97 186.53,113.97 189.14,111.37 213.19,111.37 215.97,108.59 221.39,108.59 221.85,109.04 223.79,109.04 225.03,107.8 v2(231.55,107.8)
